# Allegro board 8880F5-0825_4.brd (continued)
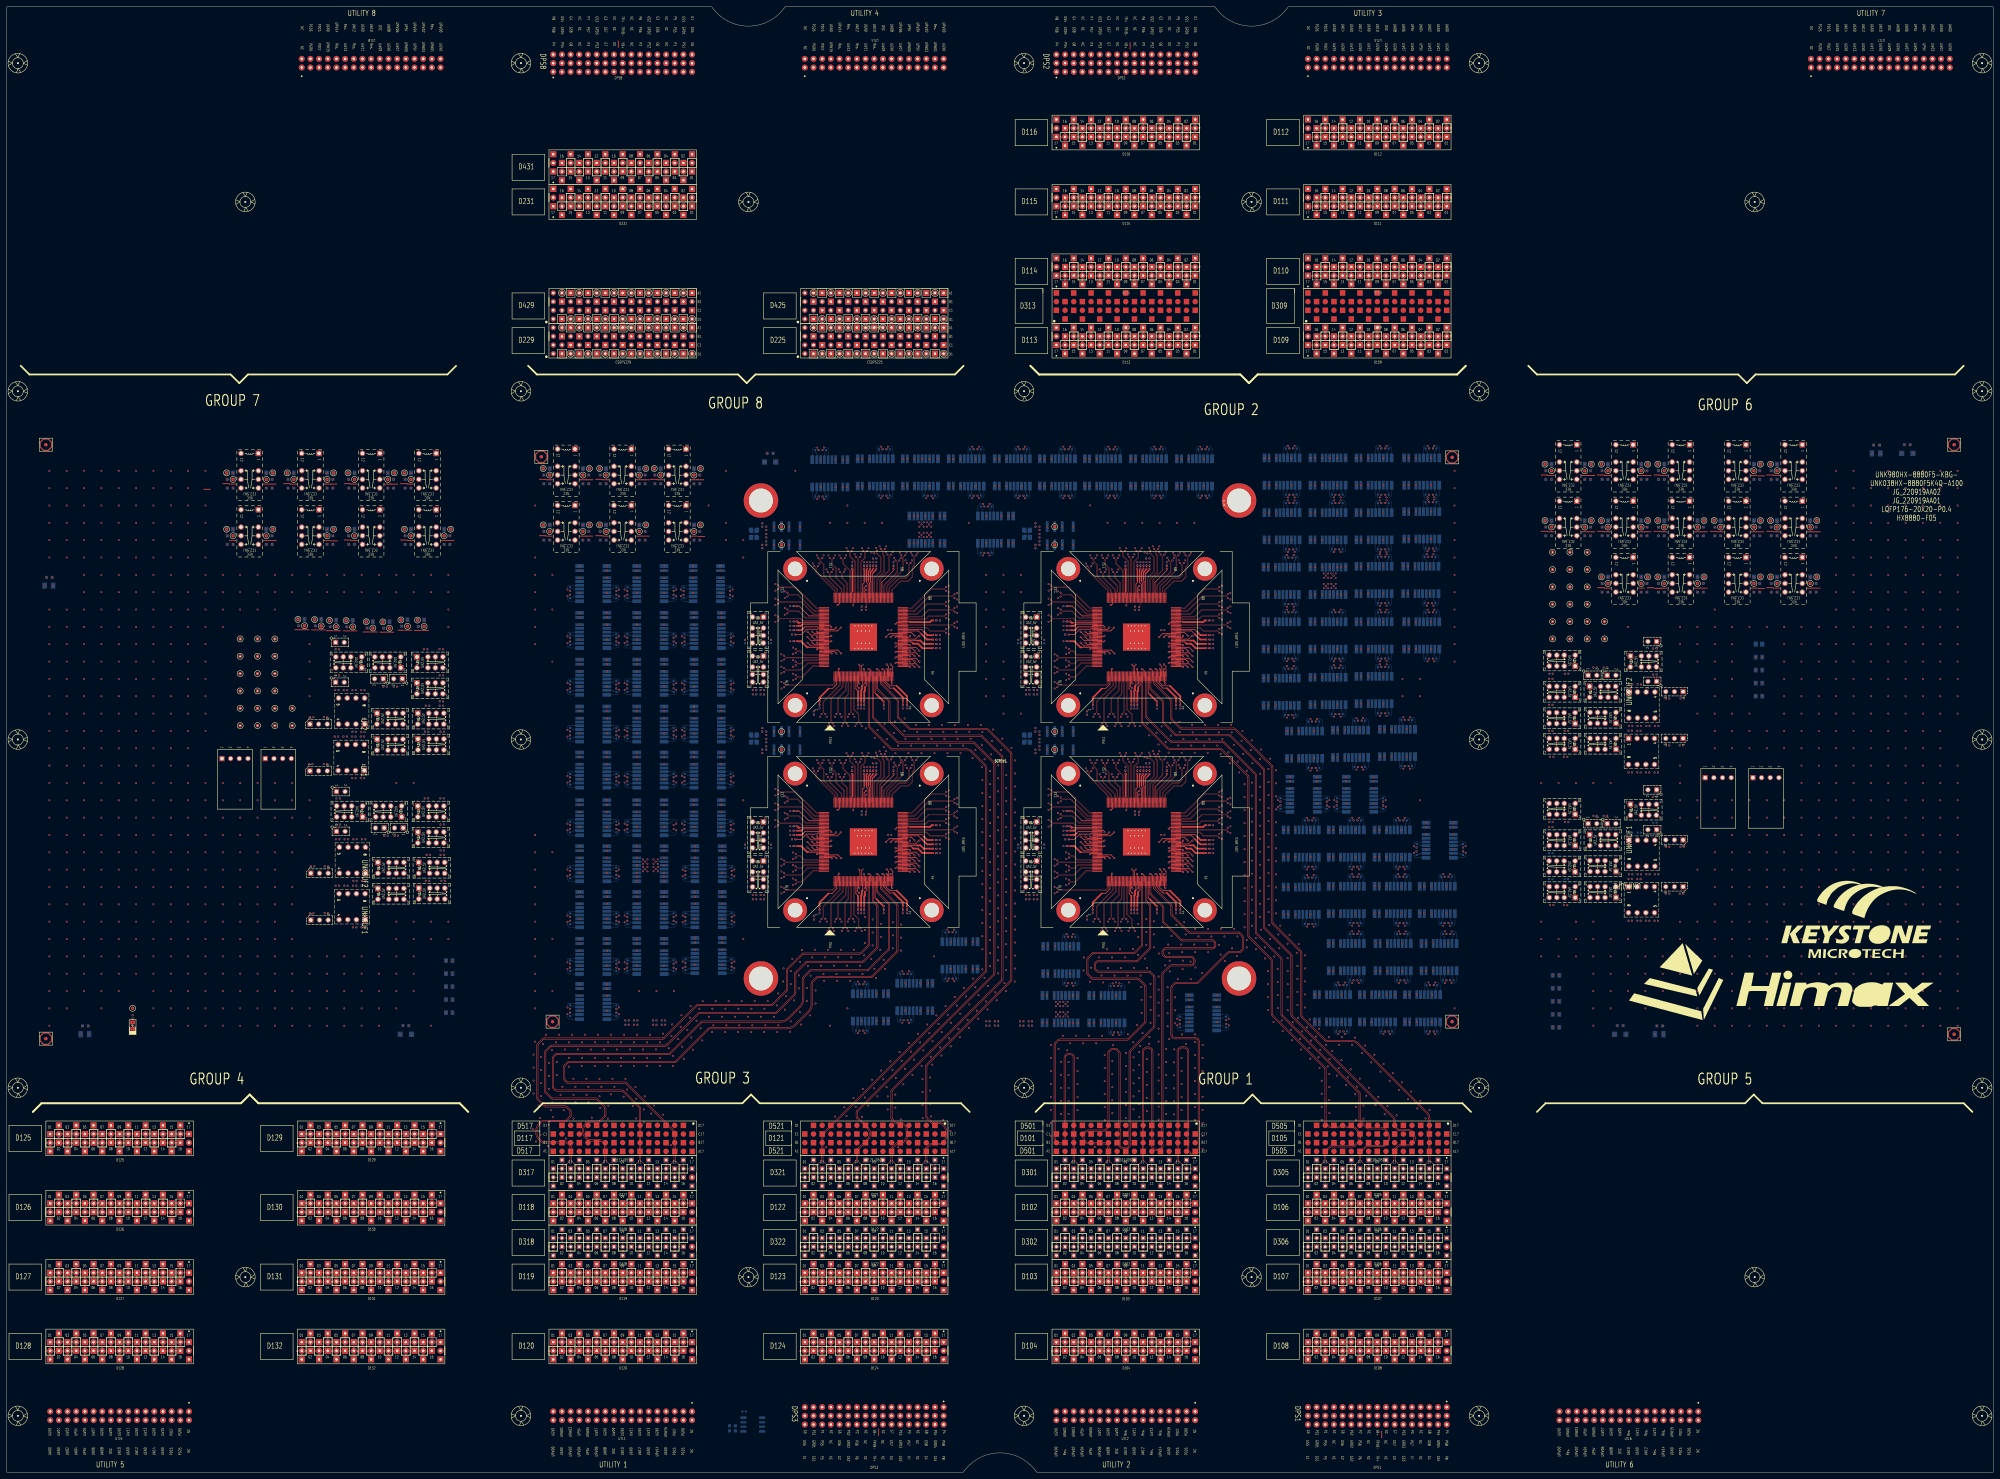
[diagram p0: board, top side]
## Routing (per net, layer and track width the routed paths; a pad name or vN(x,y) marks a point on that pad's centre or on a via; arc(x,y) is an arc through that point) (continued)
 ; D305.A13 410.77,83.82 ; D305.A13 412.19,83.82 ; D305.A13 411.48,83.11 ; 337.01,78.74 D102.B13 ; D102.B13 337.82,77.93 ; D102.B13 338.63,78.74 ; D102.B13 337.82,79.55 ; 410.67,58.42 D107.B13 ; D107.B13 411.48,57.61 ; D107.B13 412.29,58.42 ; D107.B13 411.48,59.23 ; 331.93,38.1 D104.B11 ; D104.B11 332.74,37.29 ; D104.B11 332.74,38.91 ; D104.B11 333.55,38.1 ; 406.4,329.39 D109.B7 ; D109.B7 406.4,331.01 ; D109.B7 407.21,330.2 ; D109.B7 405.59,330.2 ; 268.53,68.58 D322.B15 ; D322.B15 269.24,69.29 ; D322.B15 269.24,67.87 ; D322.B15 269.95,68.58 ; 256.54,331.93 CSDPS225.B8 ; CSDPS225.B8 256.54,333.55 ; CSDPS225.B8 257.35,332.74 ; CSDPS225.B8 255.73,332.74 ; 347.17,415.29 DPS2.A01 ; DPS2.A01 347.98,414.48 ; DPS2.A01 348.79,415.29 ; DPS2.A01 347.98,416.1 ; 240.49,60.96 D123.B4 ; D123.B4 241.3,61.77 ; D123.B4 242.11,60.96 ; D123.B4 241.3,60.15 ; 269.24,18.24 DPS3.C15 ; DPS3.C15 269.24,19.86 ; DPS3.C15 270.05,19.05 ; DPS3.C15 268.43,19.05 ; 182.07,342.9 CSDPS429.B8 ; CSDPS429.B8 182.88,343.71 ; CSDPS429.B8 183.69,342.9 ; CSDPS429.B8 182.88,342.09 ; 387.81,373.38 D111.A14 ; D111.A14 388.62,374.19 ; D111.A14 388.62,372.57 ; D111.A14 389.43,373.38 ; S3_I2C.4 83.31,209.98 ; S3_I2C.4 83.31,208.1 ; S3_I2C.4 82.37,209.04 ; S3_I2C.4 84.25,209.04 ; D125.A6 26.21,96.52 ; D125.A6 25.4,95.71 ; D125.A6 24.59,96.52 ; D125.A6 25.4,97.33 ; 332.85,181.33 SITE4.G6 ; SITE4.G6 333.33,181.81 ; SITE4.G6 333.81,181.33 ; SITE4.G6 333.33,180.85 ; D104.B15 343.71,38.1 ; D104.B15 342.09,38.1 ; D104.B15 342.9,37.29 ; D104.B15 342.9,38.91 ; 165.1,37.29 D120.B3 ; D120.B3 164.29,38.1 ; D120.B3 165.91,38.1 ; D120.B3 165.1,38.91 ; 306.63,68.58 D302.B1 ; D302.B1 307.34,69.29 ; D302.B1 307.34,67.87 ; D302.B1 308.05,68.58 ; 160.02,380.19 D431.B17 ; D431.B17 160.83,381 ; D431.B17 159.21,381 ; D431.B17 160.02,381.81 ; 342.09,53.34 D103.A15 ; D103.A15 342.9,52.53 ; D103.A15 342.9,54.15 ; D103.A15 343.71,53.34 ; 159.31,88.9 D317.B1 ; D317.B1 160.02,89.61 ; D317.B1 160.02,88.19 ; D317.B1 160.73,88.9 ; 392.89,76.2 D106.A6 ; D106.A6 393.7,75.39 ; D106.A6 394.51,76.2 ; D106.A6 393.7,77.01 ; D109.A14 389.43,332.74 ; D109.A14 388.62,333.55 ; D109.A14 387.81,332.74 ; D109.A14 388.62,331.93 ; 162.56,331.93 CSDPS229.B16 ; CSDPS229.B16 162.56,333.55 ; CSDPS229.B16 163.37,332.74 ; CSDPS229.B16 161.75,332.74 ; D102.B2 310.69,81.28 ; D102.B2 309.88,80.47 ; D102.B2 309.88,82.09 ; D102.B2 309.07,81.28 ; D306.B12 408.94,71.83 ; D306.B12 409.65,71.12 ; D306.B12 408.94,70.41 ; D306.B12 408.23,71.12 ; 35.56,75.39 D126.A10 ; D126.A10 36.37,76.2 ; D126.A10 35.56,77.01 ; D126.A10 34.75,76.2 ; DPS8.A15 165.91,415.29 ; DPS8.A15 164.29,415.29 ; DPS8.A15 165.1,416.1 ; DPS8.A15 165.1,414.48 ; 169.37,58.42 D119.B5 ; D119.B5 170.18,57.61 ; D119.B5 170.99,58.42 ; D119.B5 170.18,59.23 ; D108.B5 391.16,38.91 ; D108.B5 391.97,38.1 ; D108.B5 391.16,37.29 ; D108.B5 390.35,38.1 ; D231.A14 167.64,374.19 ; D231.A14 168.45,373.38 ; D231.A14 166.83,373.38 ; D231.A14 167.64,372.57 ; D103.A13 338.63,53.34 ; D103.A13 337.82,52.53 ; D103.A13 337.82,54.15 ; D103.A13 337.01,53.34 ; D109.A5 412.29,335.28 ; D109.A5 411.48,334.47 ; D109.A5 411.48,336.09 ; D109.A5 410.67,335.28 ; D111.A6 409.75,373.38 ; D111.A6 408.94,372.57 ; D111.A6 408.13,373.38 ; D111.A6 408.94,374.19 ; D120.B1 160.02,38.91 ; D120.B1 160.83,38.1 ; D120.B1 159.21,38.1 ; D120.B1 160.02,37.29 ; D318.A9 181.05,63.5 ; D318.A9 179.63,63.5 ; D318.A9 180.34,64.21 ; D318.A9 180.34,62.79 ; 86.36,93.17 D129.A1 ; D129.A1 86.36,94.79 ; D129.A1 85.55,93.98 ; D129.A1 87.17,93.98 ; D115.A13 318.31,375.92 ; D115.A13 316.69,375.92 ; D115.A13 317.5,375.11 ; D115.A13 317.5,376.73 ; 400.51,33.02 D108.A9 ; D108.A9 402.13,33.02 ; D108.A9 401.32,32.21 ; D108.A9 401.32,33.83 ; D125.A4 21.13,96.52 ; D125.A4 20.32,95.71 ; D125.A4 20.32,97.33 ; D125.A4 19.51,96.52 ; D231.B9 180.34,371.65 ; D231.B9 181.15,370.84 ; D231.B9 180.34,370.03 ; D231.B9 179.53,370.84 ; 314.25,71.12 D302.B4 ; D302.B4 315.67,71.12 ; D302.B4 314.96,71.83 ; D302.B4 314.96,70.41 ; 326.95,63.5 D302.A9 ; D302.A9 327.66,64.21 ; D302.A9 327.66,62.79 ; D302.A9 328.37,63.5 ; 382.73,332.74 D109.A16 ; D109.A16 383.54,331.93 ; D109.A16 384.35,332.74 ; D109.A16 383.54,333.55 ; 396.24,77.93 D106.B7 ; D106.B7 395.43,78.74 ; D106.B7 397.05,78.74 ; D106.B7 396.24,79.55 ; 329.03,245.95 SITE2.G17 ; SITE2.G17 328.55,246.43 ; SITE2.G17 329.51,246.43 ; SITE2.G17 329.03,246.91 ; 320.04,367.49 D115.B12 ; D115.B12 319.23,368.3 ; D115.B12 320.04,369.11 ; D115.B12 320.85,368.3 ; D104.A9 327.66,33.83 ; D104.A9 327.66,32.21 ; D104.A9 326.85,33.02 ; D104.A9 328.47,33.02 ; 414.02,75.39 D106.A14 ; D106.A14 414.83,76.2 ; D106.A14 414.02,77.01 ; D106.A14 413.21,76.2 ; 15.24,55.07 D127.A2 ; D127.A2 14.43,55.88 ; D127.A2 16.05,55.88 ; D127.A2 15.24,56.69 ; CSDPS229.B4 193.85,332.74 ; CSDPS229.B4 192.23,332.74 ; CSDPS229.B4 193.04,331.93 ; CSDPS229.B4 193.04,333.55 ; D119.A15 196.39,53.34 ; D119.A15 195.58,52.53 ; D119.A15 194.77,53.34 ; D119.A15 195.58,54.15 ; D306.B1 381,69.29 ; D306.B1 380.29,68.58 ; D306.B1 381,67.87 ; D306.B1 381.71,68.58 ; 419.1,347.17 D110.B2 ; D110.B2 418.29,347.98 ; D110.B2 419.1,348.79 ; D110.B2 419.91,347.98 ; D305.B16 419.1,92.15 ; D305.B16 419.81,91.44 ; D305.B16 419.1,90.73 ; D305.B16 418.39,91.44 ; D123.B16 272.59,60.96 ; D123.B16 271.78,61.77 ; D123.B16 270.97,60.96 ; D123.B16 271.78,60.15 ; D132.A2 88.9,36.37 ; D132.A2 88.09,35.56 ; D132.A2 89.71,35.56 ; D132.A2 88.9,34.75 ; 238.76,339.55 CSDPS425.C15 ; CSDPS425.C15 239.57,340.36 ; CSDPS425.C15 238.76,341.17 ; CSDPS425.C15 237.95,340.36 ; 252.63,185.95 SITE3.G20 ; SITE3.G20 252.63,186.91 ; SITE3.G20 253.11,186.43 ; SITE3.G20 252.15,186.43 ; 326.85,335.28 D113.A9 ; D113.A9 327.66,336.09 ; D113.A9 328.47,335.28 ; D113.A9 327.66,334.47 ; 187.96,85.65 D317.A12 ; D317.A12 187.25,86.36 ; D317.A12 187.96,87.07 ; D317.A12 188.67,86.36 ; 29.67,76.2 D126.A8 ; D126.A8 31.29,76.2 ; D126.A8 30.48,75.39 ; D126.A8 30.48,77.01 ; D322.B2 236.22,71.83 ; D322.B2 236.22,70.41 ; D322.B2 236.93,71.12 ; D322.B2 235.51,71.12 ; 383.54,60.15 D107.B2 ; D107.B2 384.35,60.96 ; D107.B2 382.73,60.96 ; D107.B2 383.54,61.77 ; 108.41,55.88 D131.A10 ; D131.A10 109.22,55.07 ; D131.A10 109.22,56.69 ; D131.A10 110.03,55.88 ; D113.A7 333.55,335.28 ; D113.A7 332.74,336.09 ; D113.A7 331.93,335.28 ; D113.A7 332.74,334.47 ; 419.1,326.85 D109.B2 ; D109.B2 419.91,327.66 ; D109.B2 419.1,328.47 ; D109.B2 418.29,327.66 ; 161.75,383.54 D431.A16 ; D431.A16 163.37,383.54 ; D431.A16 162.56,384.35 ; D431.A16 162.56,382.73 ; 194.77,58.42 D119.B15 ; D119.B15 195.58,57.61 ; D119.B15 195.58,59.23 ; D119.B15 196.39,58.42 ; D113.B15 312.42,331.01 ; D113.B15 312.42,329.39 ; D113.B15 313.23,330.2 ; D113.B15 311.61,330.2 ; D321.B3 238.76,89.61 ; D321.B3 239.47,88.9 ; D321.B3 238.05,88.9 ; D321.B3 238.76,88.19 ; D130.B7 101.6,79.55 ; D130.B7 102.41,78.74 ; D130.B7 101.6,77.93 ; D130.B7 100.79,78.74 ; D106.A11 406.4,74.47 ; D106.A11 406.4,72.85 ; D106.A11 405.59,73.66 ; D106.A11 407.21,73.66 ; 395.43,370.84 D111.B11 ; D111.B11 397.05,370.84 ; D111.B11 396.24,371.65 ; D111.B11 396.24,370.03 ; D306.A14 414.02,66.75 ; D306.A14 414.02,65.33 ; D306.A14 413.31,66.04 ; D306.A14 414.73,66.04 ; 345.44,352.25 D114.A2 ; D114.A2 346.25,353.06 ; D114.A2 344.63,353.06 ; D114.A2 345.44,353.87 ; 11.89,73.66 D126.A1 ; D126.A1 12.7,72.85 ; D126.A1 13.51,73.66 ; D126.A1 12.7,74.47 ; D119.A2 163.37,55.88 ; D119.A2 162.56,55.07 ; D119.A2 162.56,56.69 ; D119.A2 161.75,55.88 ; D119.A4 168.45,55.88 ; D119.A4 167.64,56.69 ; D119.A4 167.64,55.07 ; D119.A4 166.83,55.88 ; D126.B11 38.1,79.55 ; D126.B11 37.29,78.74 ; D126.B11 38.91,78.74 ; D126.B11 38.1,77.93 ; D115.A6 335.28,374.19 ; D115.A6 334.47,373.38 ; D115.A6 335.28,372.57 ; D115.A6 336.09,373.38 ; 391.16,18.24 DPS1.C05 ; DPS1.C05 391.97,19.05 ; DPS1.C05 390.35,19.05 ; DPS1.C05 391.16,19.86 ; D116.A5 338.63,396.24 ; D116.A5 337.01,396.24 ; D116.A5 337.82,395.43 ; D116.A5 337.82,397.05 ; 199.85,375.92 D231.A1 ; D231.A1 200.66,375.11 ; D231.A1 201.47,375.92 ; D231.A1 200.66,376.73 ; D132.B14 119.38,41.45 ; D132.B14 120.19,40.64 ; D132.B14 119.38,39.83 ; D132.B14 118.57,40.64 ; 317.5,395.43 D116.A13 ; D116.A13 317.5,397.05 ; D116.A13 318.31,396.24 ; D116.A13 316.69,396.24 ; 252.63,245.95 SITE1.G20 ; SITE1.G20 252.15,246.43 ; SITE1.G20 252.63,246.91 ; SITE1.G20 253.11,246.43 ; D129.B7 102.41,99.06 ; D129.B7 101.6,99.87 ; D129.B7 100.79,99.06 ; D129.B7 101.6,98.25 ; 408.13,55.88 D107.A12 ; D107.A12 409.75,55.88 ; D107.A12 408.94,55.07 ; D107.A12 408.94,56.69 ; D106.A13 411.48,74.47 ; D106.A13 410.67,73.66 ; D106.A13 412.29,73.66 ; D106.A13 411.48,72.85 ; 243.84,18.24 DPS3.C05 ; DPS3.C05 243.84,19.86 ; DPS3.C05 243.03,19.05 ; DPS3.C05 244.65,19.05 ; 39.83,60.96 D127.B12 ; D127.B12 40.64,60.15 ; D127.B12 41.45,60.96 ; D127.B12 40.64,61.77 ; 263.35,53.34 D123.A13 ; D123.A13 264.16,54.15 ; D123.A13 264.16,52.53 ; D123.A13 264.97,53.34 ; 170.18,329.39 CSDPS229.C13 ; CSDPS229.C13 169.37,330.2 ; CSDPS229.C13 170.18,331.01 ; CSDPS229.C13 170.99,330.2 ; 329.75,186.43 SITE4.G18 ; SITE4.G18 330.71,186.43 ; SITE4.G18 330.23,186.91 ; SITE4.G18 330.23,185.95 ; 403.05,327.66 D109.B8 ; D109.B8 404.67,327.66 ; D109.B8 403.86,326.85 ; D109.B8 403.86,328.47 ; 27.94,32.21 D128.A7 ; D128.A7 28.75,33.02 ; D128.A7 27.94,33.83 ; D128.A7 27.13,33.02 ; D122.B4 242.11,81.28 ; D122.B4 241.3,80.47 ; D122.B4 240.49,81.28 ; D122.B4 241.3,82.09 ; SITE1.G4 251.81,241.33 ; SITE1.G4 250.85,241.33 ; SITE1.G4 251.33,241.81 ; SITE1.G4 251.33,240.85 ; D305.A14 414.73,86.36 ; D305.A14 414.02,85.65 ; D305.A14 413.31,86.36 ; D305.A14 414.02,87.07 ; 408.13,40.64 D108.B12 ; D108.B12 408.94,39.83 ; D108.B12 408.94,41.45 ; D108.B12 409.75,40.64 ; D322.B10 256.54,71.83 ; D322.B10 255.83,71.12 ; D322.B10 257.25,71.12 ; D322.B10 256.54,70.41 ; D130.A5 96.52,74.47 ; D130.A5 97.33,73.66 ; D130.A5 96.52,72.85 ; D130.A5 95.71,73.66 ; 314.15,388.62 D116.B14 ; D116.B14 315.77,388.62 ; D116.B14 314.96,387.81 ; D116.B14 314.96,389.43 ; 243.03,330.2 CSDPS225.C13 ; CSDPS225.C13 243.84,329.39 ; CSDPS225.C13 243.84,331.01 ; CSDPS225.C13 244.65,330.2 ; D302.A7 322.58,64.21 ; D302.A7 323.29,63.5 ; D302.A7 321.87,63.5 ; D302.A7 322.58,62.79 ; 189.69,330.2 CSDPS229.C5 ; CSDPS229.C5 190.5,331.01 ; CSDPS229.C5 190.5,329.39 ; CSDPS229.C5 191.31,330.2 ; 342.09,375.92 D115.A3 ; D115.A3 343.71,375.92 ; D115.A3 342.9,375.11 ; D115.A3 342.9,376.73 ; 123.65,35.56 D132.A16 ; D132.A16 125.27,35.56 ; D132.A16 124.46,36.37 ; D132.A16 124.46,34.75 ; D431.B11 175.26,381.81 ; D431.B11 176.07,381 ; D431.B11 174.45,381 ; D431.B11 175.26,380.19 ; 400.51,375.92 D111.A9 ; D111.A9 401.32,376.73 ; D111.A9 402.13,375.92 ; D111.A9 401.32,375.11 ; D129.B8 104.95,101.6 ; D129.B8 103.33,101.6 ; D129.B8 104.14,102.41 ; D129.B8 104.14,100.79 ; D127.B9 33.02,59.23 ; D127.B9 33.02,57.61 ; D127.B9 33.83,58.42 ; D127.B9 32.21,58.42 ; SITE3.G12 253.81,187.93 ; SITE3.G12 253.33,188.41 ; SITE3.G12 253.33,187.45 ; SITE3.G12 252.85,187.93 ; D120.A10 182.88,36.37 ; D120.A10 183.69,35.56 ; D120.A10 182.88,34.75 ; D120.A10 182.07,35.56 ; 88.09,55.88 D131.A2 ; D131.A2 88.9,55.07 ; D131.A2 88.9,56.69 ; D131.A2 89.71,55.88 ; D132.A3 92.25,33.02 ; D132.A3 90.63,33.02 ; D132.A3 91.44,32.21 ; D132.A3 91.44,33.83 ; 100.79,38.1 D132.B7 ; D132.B7 101.6,38.91 ; D132.B7 102.41,38.1 ; D132.B7 101.6,37.29 ; D431.B14 168.45,378.46 ; D431.B14 167.64,377.65 ; D431.B14 167.64,379.27 ; D431.B14 166.83,378.46 ; 245.67,86.36 D321.A6 ; D321.A6 246.38,87.07 ; D321.A6 247.09,86.36 ; D321.A6 246.38,85.65 ; 39.83,40.64 D128.B12 ; D128.B12 40.64,41.45 ; D128.B12 41.45,40.64 ; D128.B12 40.64,39.83 ; D305.B7 396.95,88.9 ; D305.B7 395.53,88.9 ; D305.B7 396.24,89.61 ; D305.B7 396.24,88.19 ; 192.33,86.36 D317.A14 ; D317.A14 193.04,87.07 ; D317.A14 193.04,85.65 ; D317.A14 193.75,86.36 ; 24.59,35.56 D128.A6 ; D128.A6 25.4,36.37 ; D128.A6 25.4,34.75 ; D128.A6 26.21,35.56 ; D318.B7 175.26,69.29 ; D318.B7 175.26,67.87 ; D318.B7 175.97,68.58 ; D318.B7 174.55,68.58 ; 180.34,329.39 CSDPS229.C9 ; CSDPS229.C9 179.53,330.2 ; CSDPS229.C9 180.34,331.01 ; CSDPS229.C9 181.15,330.2 ; D115.B2 345.44,369.11 ; D115.B2 346.25,368.3 ; D115.B2 345.44,367.49 ; D115.B2 344.63,368.3 ; D116.A10 325.12,394.51 ; D116.A10 324.31,393.7 ; D116.A10 325.12,392.89 ; D116.A10 325.93,393.7 ; 344.63,347.98 D114.B2 ; D114.B2 345.44,347.17 ; D114.B2 345.44,348.79 ; D114.B2 346.25,347.98 ; D318.B10 183.59,71.12 ; D318.B10 182.17,71.12 ; D318.B10 182.88,70.41 ; D318.B10 182.88,71.83 ; 322.58,354.79 D114.A11 ; D114.A11 323.39,355.6 ; D114.A11 321.77,355.6 ; D114.A11 322.58,356.41 ; 413.31,71.12 D306.B14 ; D306.B14 414.02,70.41 ; D306.B14 414.02,71.83 ; D306.B14 414.73,71.12 ; D119.B14 193.04,61.77 ; D119.B14 193.04,60.15 ; D119.B14 192.23,60.96 ; D119.B14 193.85,60.96 ; D130.B14 119.38,82.09 ; D130.B14 118.57,81.28 ; D130.B14 120.19,81.28 ; D130.B14 119.38,80.47 ; D113.A4 341.17,332.74 ; D113.A4 340.36,331.93 ; D113.A4 339.55,332.74 ; D113.A4 340.36,333.55 ; 233.68,13.16 DPS3.A01 ; DPS3.A01 233.68,14.78 ; DPS3.A01 234.49,13.97 ; DPS3.A01 232.87,13.97 ; 175.26,385.27 D431.A11 ; D431.A11 176.07,386.08 ; D431.A11 174.45,386.08 ; D431.A11 175.26,386.89 ; 314.96,331.93 D113.A14 ; D113.A14 315.77,332.74 ; D113.A14 314.96,333.55 ; D113.A14 314.15,332.74 ; D103.A10 330.2,56.69 ; D103.A10 331.01,55.88 ; D103.A10 330.2,55.07 ; D103.A10 329.39,55.88 ; 327.66,67.87 D302.B9 ; D302.B9 327.66,69.29 ; D302.B9 326.95,68.58 ; D302.B9 328.37,68.58 ; 169.37,370.84 D231.B13 ; D231.B13 170.18,370.03 ; D231.B13 170.18,371.65 ; D231.B13 170.99,370.84 ; 388.62,367.49 D111.B14 ; D111.B14 388.62,369.11 ; D111.B14 389.43,368.3 ; D111.B14 387.81,368.3 ; D102.B5 318.31,78.74 ; D102.B5 316.69,78.74 ; D102.B5 317.5,77.93 ; D102.B5 317.5,79.55 ; 238.05,83.82 D321.A3 ; D321.A3 238.76,83.11 ; D321.A3 239.47,83.82 ; D321.A3 238.76,84.53 ; D119.A16 198.12,56.69 ; D119.A16 198.12,55.07 ; D119.A16 198.93,55.88 ; D119.A16 197.31,55.88 ; 319.23,81.28 D102.B6 ; D102.B6 320.04,80.47 ; D102.B6 320.85,81.28 ; D102.B6 320.04,82.09 ; D131.A15 121.92,54.15 ; D131.A15 121.92,52.53 ; D131.A15 121.11,53.34 ; D131.A15 122.73,53.34 ; D317.B3 165.1,89.61 ; D317.B3 165.81,88.9 ; D317.B3 165.1,88.19 ; D317.B3 164.39,88.9 ; D108.B15 416.56,38.91 ; D108.B15 416.56,37.29 ; D108.B15 415.75,38.1 ; D108.B15 417.37,38.1 ; 319.23,347.98 D114.B12 ; D114.B12 320.85,347.98 ; D114.B12 320.04,347.17 ; D114.B12 320.04,348.79 ; D108.A16 419.91,35.56 ; D108.A16 418.29,35.56 ; D108.A16 419.1,36.37 ; D108.A16 419.1,34.75 ; D131.A1 86.36,54.15 ; D131.A1 86.36,52.53 ; D131.A1 87.17,53.34 ; D131.A1 85.55,53.34 ; D102.B7 323.39,78.74 ; D102.B7 322.58,79.55 ; D102.B7 322.58,77.93 ; D102.B7 321.77,78.74 ; 271.78,85.65 D321.A16 ; D321.A16 272.49,86.36 ; D321.A16 271.07,86.36 ; D321.A16 271.78,87.07 ; 396.24,52.53 D107.A7 ; D107.A7 395.43,53.34 ; D107.A7 397.05,53.34 ; D107.A7 396.24,54.15 ; D102.B4 315.77,81.28 ; D102.B4 314.96,80.47 ; D102.B4 314.15,81.28 ; D102.B4 314.96,82.09 ; 388.62,65.33 D306.A4 ; D306.A4 387.91,66.04 ; D306.A4 389.33,66.04 ; D306.A4 388.62,66.75 ; 121.92,32.21 D132.A15 ; D132.A15 121.92,33.83 ; D132.A15 121.11,33.02 ; D132.A15 122.73,33.02 ; D106.A16 419.1,77.01 ; D106.A16 419.1,75.39 ; D106.A16 418.29,76.2 ; D106.A16 419.91,76.2 ; 167.64,75.39 D118.A4 ; D118.A4 166.83,76.2 ; D118.A4 168.45,76.2 ; D118.A4 167.64,77.01 ; 327.66,52.53 D103.A9 ; D103.A9 326.85,53.34 ; D103.A9 327.66,54.15 ; D103.A9 328.47,53.34 ; D118.B3 165.91,78.74 ; D118.B3 165.1,77.93 ; D118.B3 165.1,79.55 ; D118.B3 164.29,78.74 ; 408.23,91.44 D305.B12 ; D305.B12 408.94,92.15 ; D305.B12 408.94,90.73 ; D305.B12 409.65,91.44 ; D106.A7 396.24,74.47 ; D106.A7 397.05,73.66 ; D106.A7 395.43,73.66 ; D106.A7 396.24,72.85 ; D318.B13 190.5,69.29 ; D318.B13 191.21,68.58 ; D318.B13 189.79,68.58 ; D318.B13 190.5,67.87 ; 165.1,72.85 D118.A3 ; D118.A3 165.1,74.47 ; D118.A3 164.29,73.66 ; D118.A3 165.91,73.66 ; 331.43,245.95 SITE2.G19 ; SITE2.G19 331.91,246.43 ; SITE2.G19 331.43,246.91 ; SITE2.G19 330.95,246.43 ; 504.01,203.45 S2_I2C.4 ; S2_I2C.4 504.95,204.39 ; S2_I2C.4 505.89,203.45 ; S2_I2C.4 504.95,202.51 ; D431.A1 200.66,386.89 ; D431.A1 199.85,386.08 ; D431.A1 201.47,386.08 ; D431.A1 200.66,385.27 ; 184.61,386.08 D431.A7 ; D431.A7 185.42,385.27 ; D431.A7 186.23,386.08 ; D431.A7 185.42,386.89 ; 250.65,81.28 D122.B8 ; D122.B8 252.27,81.28 ; D122.B8 251.46,82.09 ; D122.B8 251.46,80.47 ; D119.B10 182.88,61.77 ; D119.B10 182.88,60.15 ; D119.B10 182.07,60.96 ; D119.B10 183.69,60.96 ; D106.B6 394.51,81.28 ; D106.B6 393.7,82.09 ; D106.B6 392.89,81.28 ; D106.B6 393.7,80.47 ; D125.B2 16.05,101.6 ; D125.B2 15.24,100.79 ; D125.B2 15.24,102.41 ; D125.B2 14.43,101.6 ; 187.96,367.49 D231.B6 ; D231.B6 188.77,368.3 ; D231.B6 187.96,369.11 ; D231.B6 187.15,368.3 ; D305.A4 388.62,87.07 ; D305.A4 388.62,85.65 ; D305.A4 389.33,86.36 ; D305.A4 387.91,86.36 ; 171.91,55.88 D119.A6 ; D119.A6 172.72,56.69 ; D119.A6 172.72,55.07 ; D119.A6 173.53,55.88 ; SITE3.G15 251.91,182.83 ; SITE3.G15 250.95,182.83 ; SITE3.G15 251.43,182.35 ; SITE3.G15 251.43,183.31 ; 166.83,342.9 CSDPS429.B14 ; CSDPS429.B14 167.64,342.09 ; CSDPS429.B14 167.64,343.71 ; CSDPS429.B14 168.45,342.9 ; 119.38,95.71 D129.A14 ; D129.A14 120.19,96.52 ; D129.A14 118.57,96.52 ; D129.A14 119.38,97.33 ; 33.02,77.93 D126.B9 ; D126.B9 33.83,78.74 ; D126.B9 32.21,78.74 ; D126.B9 33.02,79.55 ; D129.A16 125.27,96.52 ; D129.A16 124.46,97.33 ; D129.A16 123.65,96.52 ; D129.A16 124.46,95.71 ; 332.74,349.71 D114.B7 ; D114.B7 332.74,351.33 ; D114.B7 331.93,350.52 ; D114.B7 333.55,350.52 ; 393.7,347.17 D110.B12 ; D110.B12 392.89,347.98 ; D110.B12 394.51,347.98 ; D110.B12 393.7,348.79 ; D231.B14 167.64,369.11 ; D231.B14 166.83,368.3 ; D231.B14 167.64,367.49 ; D231.B14 168.45,368.3 ; D122.A14 267.51,76.2 ; D122.A14 266.7,77.01 ; D122.A14 265.89,76.2 ; D122.A14 266.7,75.39 ; 347.17,355.6 D114.A1 ; D114.A1 347.98,354.79 ; D114.A1 348.79,355.6 ; D114.A1 347.98,356.41 ; D125.A8 30.48,97.33 ; D125.A8 31.29,96.52 ; D125.A8 30.48,95.71 ; D125.A8 29.67,96.52 ; D106.A2 383.54,77.01 ; D106.A2 383.54,75.39 ; D106.A2 384.35,76.2 ; D106.A2 382.73,76.2 ; D109.A1 422.45,335.28 ; D109.A1 420.83,335.28 ; D109.A1 421.64,336.09 ; D109.A1 421.64,334.47 ; D318.A1 160.02,64.21 ; D318.A1 160.73,63.5 ; D318.A1 159.31,63.5 ; D318.A1 160.02,62.79 ; D111.A15 386.89,375.92 ; D111.A15 385.27,375.92 ; D111.A15 386.08,376.73 ; D111.A15 386.08,375.11 ; 256.54,75.39 D122.A10 ; D122.A10 256.54,77.01 ; D122.A10 257.35,76.2 ; D122.A10 255.73,76.2 ; D131.B8 104.14,61.77 ; D131.B8 103.33,60.96 ; D131.B8 104.95,60.96 ; D131.B8 104.14,60.15 ; D305.B3 386.79,88.9 ; D305.B3 385.37,88.9 ; D305.B3 386.08,89.61 ; D305.B3 386.08,88.19 ; 408.13,393.7 D112.A6 ; D112.A6 408.94,392.89 ; D112.A6 409.75,393.7 ; D112.A6 408.94,394.51 ; 329.39,393.7 D116.A8 ; D116.A8 330.2,394.51 ; D116.A8 331.01,393.7 ; D116.A8 330.2,392.89 ; 337.82,354.79 D114.A5 ; D114.A5 337.01,355.6 ; D114.A5 338.63,355.6 ; D114.A5 337.82,356.41 ; 386.08,354.79 D110.A15 ; D110.A15 386.08,356.41 ; D110.A15 386.89,355.6 ; D110.A15 385.27,355.6 ; D111.A1 421.64,376.73 ; D111.A1 421.64,375.11 ; D111.A1 422.45,375.92 ; D111.A1 420.83,375.92 ; D317.A6 173.43,86.36 ; D317.A6 172.72,85.65 ; D317.A6 172.01,86.36 ; D317.A6 172.72,87.07 ; 258.27,78.74 D122.B11 ; D122.B11 259.89,78.74 ; D122.B11 259.08,77.93 ; D122.B11 259.08,79.55 ; D112.B13 391.16,391.97 ; D112.B13 390.35,391.16 ; D112.B13 391.97,391.16 ; D112.B13 391.16,390.35 ; D132.B8 104.95,40.64 ; D132.B8 104.14,39.83 ; D132.B8 103.33,40.64 ; D132.B8 104.14,41.45 ; SITE4.G7 328.33,188.41 ; SITE4.G7 328.33,187.45 ; SITE4.G7 327.85,187.93 ; SITE4.G7 328.81,187.93 ; D123.A1 233.68,54.15 ; D123.A1 234.49,53.34 ; D123.A1 232.87,53.34 ; D123.A1 233.68,52.53 ; 187.15,383.54 D431.A6 ; D431.A6 188.77,383.54 ; D431.A6 187.96,382.73 ; D431.A6 187.96,384.35 ; 335.28,352.25 D114.A6 ; D114.A6 334.47,353.06 ; D114.A6 335.28,353.87 ; D114.A6 336.09,353.06 ; 309.17,66.04 D302.A2 ; D302.A2 309.88,65.33 ; D302.A2 310.59,66.04 ; D302.A2 309.88,66.75 ; 176.99,373.38 D231.A10 ; D231.A10 177.8,372.57 ; D231.A10 177.8,374.19 ; D231.A10 178.61,373.38 ; 11.89,99.06 D125.B1 ; D125.B1 13.51,99.06 ; D125.B1 